# Altium PCB openmv-ae3.PcbDoc (part 1 of 7) (continued)
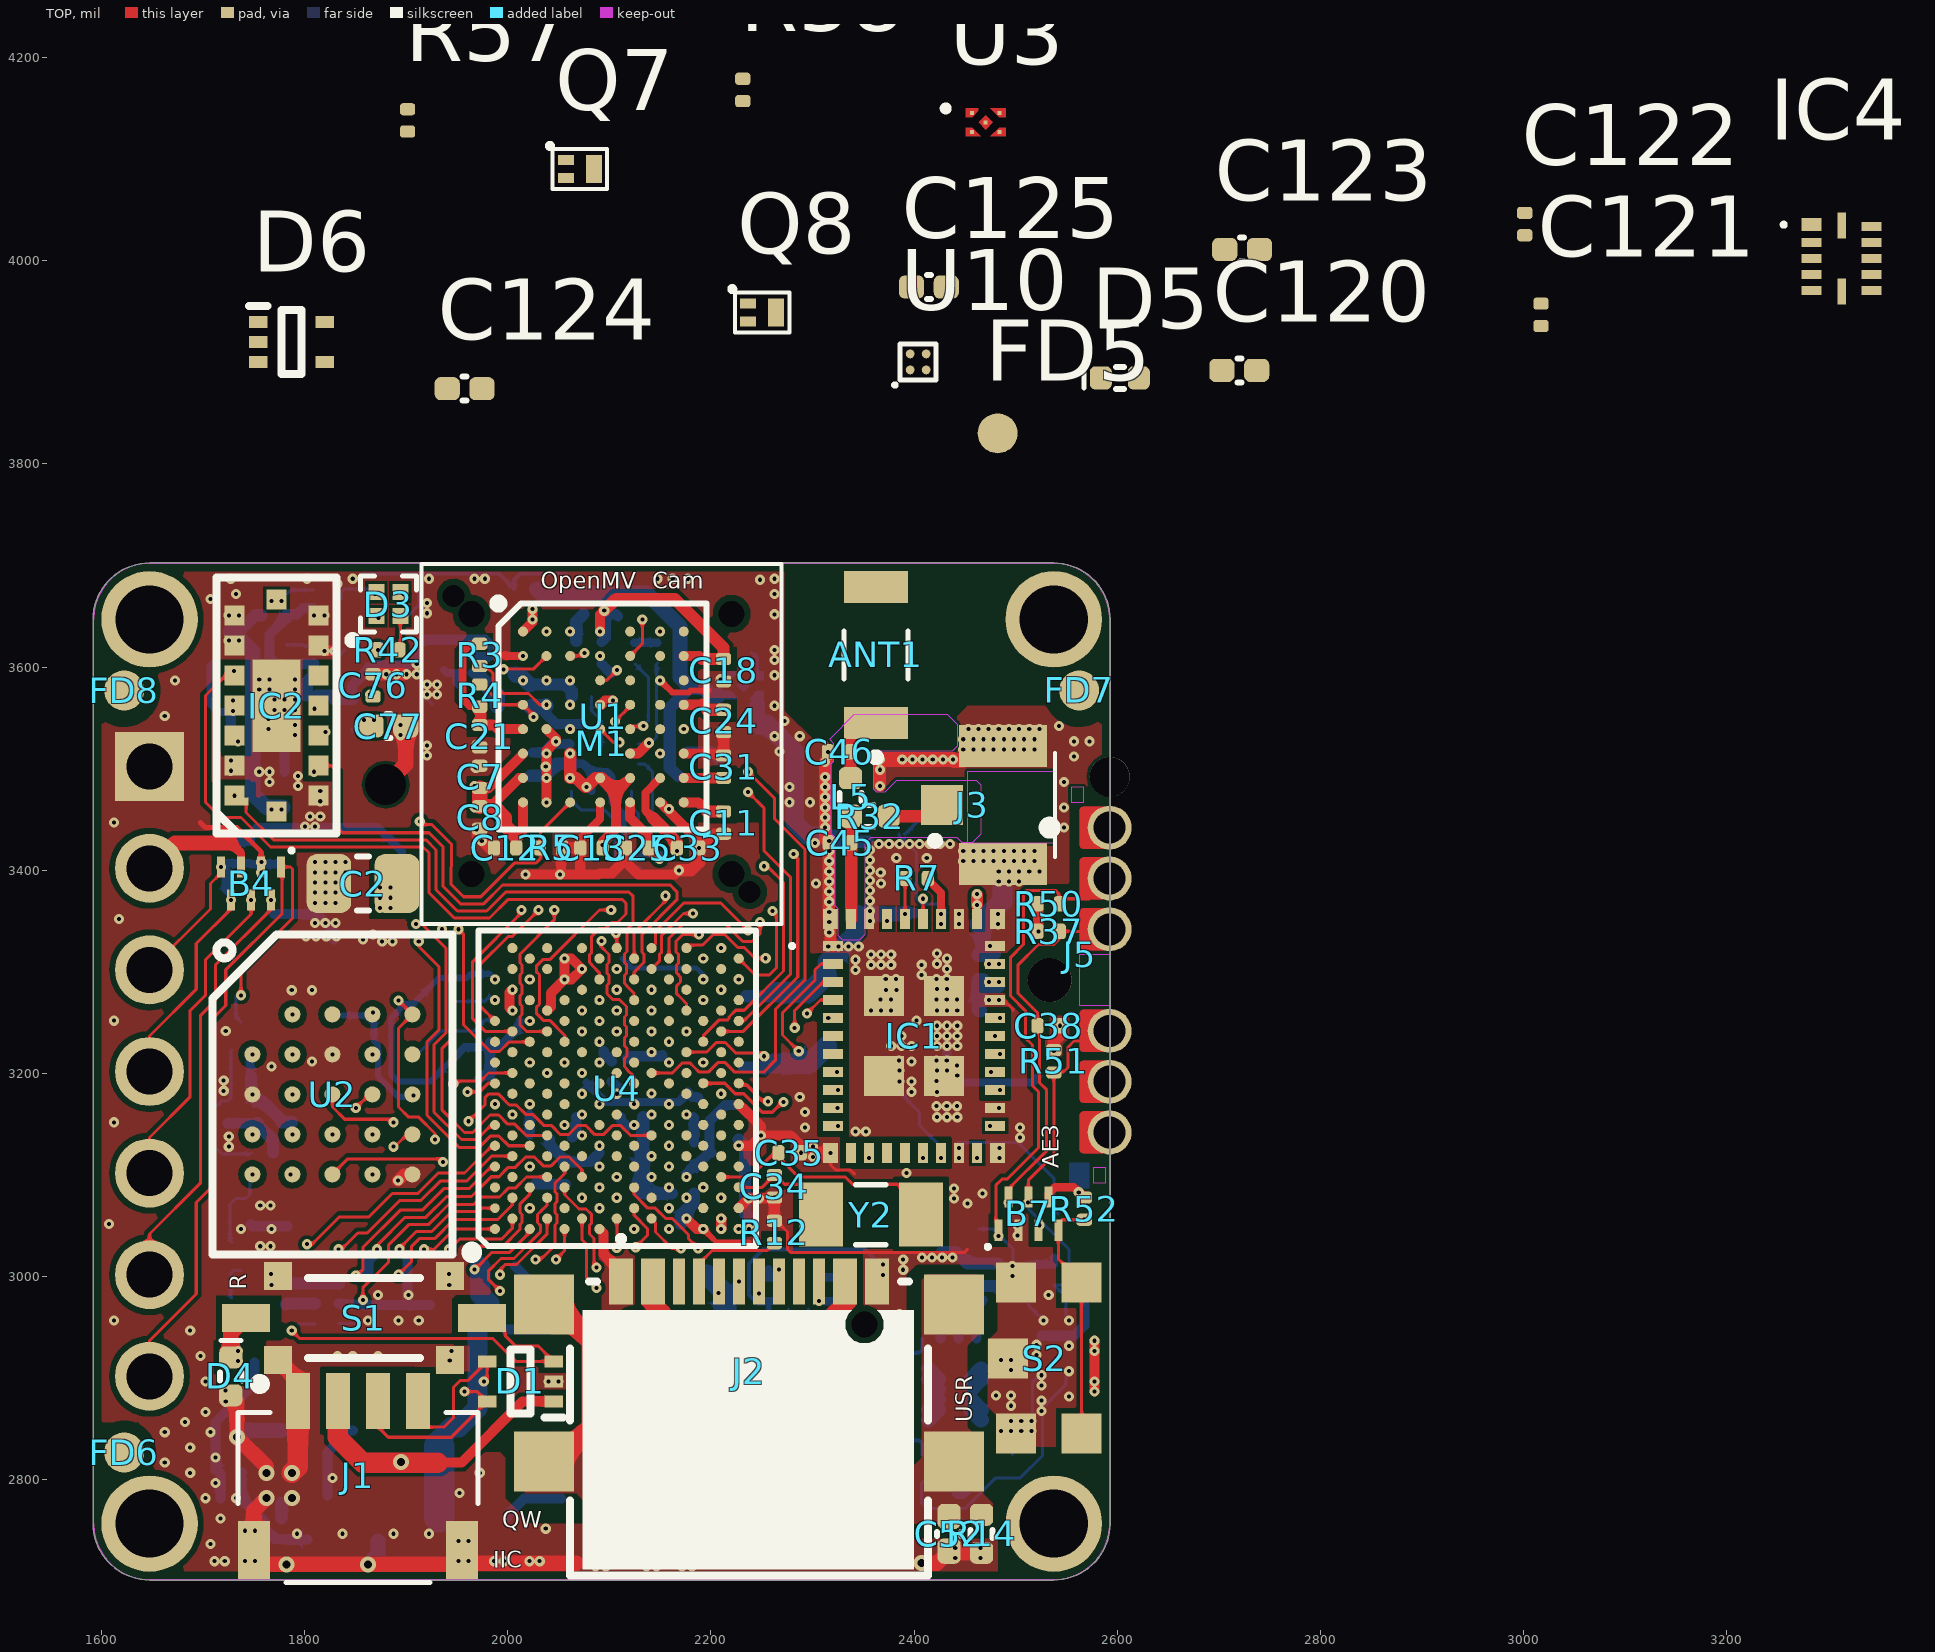
[diagram p0: TOP view]
## Components (designator, comment, footprint, x,y, rotation, side; value= is the part's Value field where it differs from the comment)
ANT1 "AMCA31-2R450G-S1F-T3" ANTC3216X140N 2362.44,3611.91 r90 top
B1 "TPS62824DMQR" TPS62826ADMQR 1752.44,3356.91 r0 bottom
B2 "TPS62824DMQR" TPS62826ADMQR 2070.77,2781.47 r180 bottom
B3 "TPS62824DMQR" TPS62826ADMQR 1822.44,2766.91 r90 bottom
B4 "PUSB3TB6AZ" PUSB3TB6AZ 1747.44,3386.91 r270 top
B5 "NXS0102GTX" NXS0102GTX 2537.44,2931.91 r0 bottom
B6 "NXS0102GTX" NXS0102GTX 1821.86,2983.49 r0 bottom
B7 "PUSB3TB6AZ" PUSB3TB6AZ 2512.44,3061.91 r90 top
C1 "4.7uF" 0402-CAP#1 1800.49,3049.52 r0 bottom
C2 "22uF" 0805 1857.44,3386.91 r0 top
C3 "0.22uF" C0201#1 1752.44,3161.91 r270 bottom
C4 "4.7uF" 0402-CAP#1 2297.44,3391.91 r180 bottom
C5 "22uF" 0805 1972.44,3481.91 r270 bottom
C6 "4.7uF" 0402-CAP#1 2237.44,3436.91 r180 bottom
C7 "0.22uF" C0201#1 1972.44,3491.91 r270 top
C8 "0.22uF" C0201#1 1972.44,3451.91 r90 top
C9 "4.7uF" 0402-CAP#1 2000.44,3628.91 r270 bottom
C10 "4.7uF" 0402-CAP#1 1972.44,3561.91 r0 bottom
C11 "0.22uF" C0201#1 2212.44,3446.91 r90 top
C12 "0.22uF" C0201#1 1997.44,3421.91 r0 top
C13 "0.22uF" C0201#1 2082.44,3421.91 r0 top
C14 "0.22uF" C0201#1 2032.44,3441.91 r0 bottom
C15 "0.22uF" C0201#1 2032.44,3416.91 r0 bottom
C16 "0.22uF" C0201#1 2092.44,3406.91 r90 bottom
C17 "0.22uF" C0201#2 2067.44,3614.91 r90 bottom
C18 "0.22uF" C0201#1 2212.44,3596.91 r90 top
C19 "0.22uF" C0201#1 2085.44,3651.91 r180 bottom
C20 "DNP" C0201#1 1982.44,3241.91 r90 bottom
C21 "0.22uF" C0201#1 1972.44,3531.91 r90 top
C22 "DNP" C0201#1 1982.44,3286.91 r270 bottom
C23 "0.22uF" C0201#1 2092.44,3613.91 r270 bottom
C24 "0.22uF" C0201#1 2212.44,3546.91 r90 top
C25 "0.22uF" C0201#1 2127.44,3421.91 r0 top
C26 "0.22uF" C0201#1 2022.44,3526.91 r90 bottom
C27 "0.22uF" C0201#1 2167.44,3481.91 r90 bottom
C28 "0.22uF" C0201#1 2017.44,3676.91 r0 bottom
C29 "0.22uF" C0201#1 2177.44,3526.91 r270 bottom
C30 "2.2uF" 0402-CAP#1 2207.44,3526.91 r270 bottom
C31 "0.22uF" C0201#1 2212.44,3501.91 r270 top
C32 "2.2uF" 0402-CAP#1 2237.44,3471.91 r180 bottom
C33 "0.22uF" C0201#1 2177.44,3421.91 r180 top
C34 "DNP" C0201#1 2262.44,3088.91 r270 top
C35 "DNP" C0201#1 2277.44,3121.91 r0 top
C36 "2.2uF" 0402-CAP#1 2182.44,3416.91 r90 bottom
C37 "0.22uF" C0201#1 1724.44,3161.91 r90 bottom
C38 "0.22uF" C0201#1 2532.44,3246.91 r180 top
C39 "0.22uF" C0201#1 1857.44,3231.91 r180 bottom
C40 "0.22uF" C0201#1 1779.95,3122.16 r180 bottom
C41 "0.22uF" C0201#1 2322.44,3441.91 r90 bottom
C42 "0.22uF" C0201#1 2452.44,3316.91 r180 bottom
C43 "0.22uF" C0201#1 2452.44,3291.91 r180 bottom
C44 "0.22uF" C0201#1 2392.44,3346.91 r270 bottom
C45 "GRM0335C1H1R5BA01D" CAPC0603X33N 2327.06,3426.99 r180 top
C46 "DNP" C0201-NO-3D 2326.26,3516.58 r180 top
C47 "4.7uF" 0402-CAP#1 2447.44,3346.91 r0 bottom
C48 "4.7uF" 0402-CAP#1 2447.44,3261.91 r0 bottom
C49 "4.7uF" 0402-CAP#1 2327.44,3356.91 r0 bottom
C50 "0.22uF" C0201#1 2022.44,3481.91 r270 bottom
C51 "0.22uF" C0201#1 2022.44,3571.91 r270 bottom
C52 "1nF" 0402-CAP#1 2434.44,2746.91 r270 top
C53 "10nF" 0402-CAP#1 2147.44,2918.91 r180 bottom
C54 "0.22uF" C0201#1 2208.5,2922.66 r180 bottom
C55 "4.7uF" 0402-CAP#1 2197.44,2951.91 r0 bottom
C56 "0.22uF" C0201#1 2457.44,3001.91 r90 bottom
C57 "0.22uF" C0201#1 2432.44,2786.91 r180 bottom
C58 "0.22uF" C0201#1 2482.44,3001.91 r90 bottom
C59 "4.7uF" 0402-CAP#1 2427.44,3006.91 r270 bottom
C60 "47pF" C0201#1 2367.44,2921.91 r180 bottom
C61 "47pF" C0201#1 2367.44,2846.91 r180 bottom
C62 "0.22uF" C0201#1 2567.44,3001.91 r90 bottom
C63 "22uF" 0805 1966.18,2832.91 r0 bottom
C64 "4.7uF,10V" 0402-CAP#1 2088.08,2833.11 r0 bottom
C65 "120pF" C0201#1 2069.1,2724.96 r90 bottom
C66 "22uF" 0805 1777.44,2881.91 r270 bottom
C67 "120pF" C0201#1 1727.44,2806.91 r180 bottom
C68 "4.7uF" 0402-CAP#1 1872.43,2756.91 r90 bottom
C69 "4.7uF" 0402-CAP#1 1989.94,3009.91 r180 bottom
C70 "4.7uF" 0402-CAP#2 1884.14,3021.22 r0 bottom
C71 "22uF" 0805 1862.44,3401.91 r180 bottom
C72 "4.7uF" 0402-CAP#1 2192.44,3596.91 r270 bottom
C73 "120pF" C0201#1 1747.44,3416.91 r90 bottom
C74 "4.7uF" 0402-CAP#1 2245.44,3526.91 r90 bottom
C75 "4.7uF" 0402-CAP#1 1742.44,3306.91 r0 bottom
C76 "0.22uF" C0201#1 1867.44,3581.91 r90 top
C77 "4.7uF" 0402-CAP#1 1882.44,3541.91 r180 top
C78 "4.7uF" 0402-CAP#1 2035.44,3628.91 r270 bottom
C79 "0.22uF" C0201#1 1727.44,3566.91 r90 bottom
C80 "0.22uF" C0201#1 1757.44,3661.91 r90 bottom
C81 "0.22uF" C0201#1 1790.44,3461.91 r0 bottom
C82 "4.7uF" 0402-CAP#1 1727.44,3651.91 r270 bottom
C83 "0.22uF" C0201#1 2552.44,2861.91 r270 bottom
C84 "0.22uF" C0201#1 1781.86,2983.49 r90 bottom
C85 "0.22uF" C0201#1 1861.83,2982.26 r270 bottom
C86 "0.22uF" C0201#1 2022.44,3276.91 r180 bottom
C87 "2.2uF" 0402-CAP#1 2227.44,3151.91 r270 bottom
C88 "22uF" 0805 2162.44,3001.91 r0 bottom
C89 "4.7uF" 0402-CAP#1 2187.44,3051.91 r180 bottom
C90 "0.22uF" C0201#1 2237.44,3048.91 r270 bottom
C91 "22uF" 0805 2347.44,3226.91 r180 bottom
C92 "4.7uF" 0402-CAP#1 2262.44,3226.91 r90 bottom
C93 "0.22uF" C0201#1 2232.44,3216.91 r270 bottom
C94 "22uF" 0805 2064.44,2976.67 r90 bottom
C95 "4.7uF" 0402-CAP#1 2132.44,3066.91 r270 bottom
C96 "0.22uF" C0201#1 2172.44,3081.91 r180 bottom
C97 "0.22uF" C0201#3 2112.44,3301.91 r270 bottom
C98 "0.22uF" C0201#1 2169.44,3106.91 r0 bottom
C99 "0.22uF" C0201#1 2022.44,3246.91 r0 bottom
C100 "0.22uF" C0201#1 2082.44,3086.91 r270 bottom
C101 "0.22uF" C0201#1 2217.44,3251.91 r180 bottom
C102 "4.7uF" 0402-CAP#1 2182.44,3346.91 r90 bottom
C103 "0.22uF" C0201#2 2210.44,3306.91 r90 bottom
C104 "22uF" 0805 2347.44,3296.91 r180 bottom
C105 "4.7uF" 0402-CAP#1 2262.44,3296.91 r90 bottom
C106 "0.22uF" C0201#1 2232.44,3286.91 r270 bottom
C107 "0.22uF" C0201#1 2032.44,3158.91 r0 bottom
C108 "0.22uF" C0201#1 2057.44,3101.91 r270 bottom
C109 "1uF" C0201#1 1982.44,3186.91 r90 bottom
C110 "4.7uF" 0402-CAP#1 2112.44,3126.91 r180 bottom
C111 "0.22uF" C0201#1 2122.44,3156.91 r0 bottom
C112 "1uF" C0201#1 2222.44,3081.91 r180 bottom
C113 "1uF" C0201#1 2172.44,3131.91 r0 bottom
C114 "1uF" C0201#1 2222.44,3106.91 r180 bottom
C115 "1uF" C0201#1 2052.44,3136.91 r0 bottom
C116 "1uF" C0201#1 2077.44,3201.91 r270 bottom
C117 "0.22uF" C0201#1 2177.44,3191.91 r270 bottom
C118 "0.22uF" C0201#1 2152.44,3206.91 r270 bottom
C119 "4.7uF" 0402-CAP#1 2422.44,3161.91 r0 bottom
C120 "4.7uF" 0402-CAP#1 2720,3892 r0 top
C121 "0.22uF" C0201#1 3017,3946.67 r90 top
C122 "0.22uF" C0201#1 3001,4036 r90 top
C123 "4.7uF" 0402-CAP#1 2722.87,4011 r0 top
C124 "4.7uF" 0402-CAP#1 1957.54,3874 r0 top
C125 "4.7uF" 0402-CAP#1 2414.57,3974 r0 top
D1 "DF5A6.2CJE,LM" SOTFL50P160X60-5N 2012.44,2896.91 r180 top
D2 "LM66100DCKR" SOP65P210X110-6N 1960.69,2947.88 r180 bottom
D3 "UHD1110-FKA-CL1A13R3Q1BBQFMF3" LED_UHD1110-FKA-CL1A13R3Q1BBQFMF3 1882.44,3661.91 r90 top
D4 "CPDQT5V0HE-HF" CPDQT5V0HEHF 1727.44,2901.91 r270 top
D5 "CPDQT5V0HE-HF" CPDQT5V0HEHF 2602.44,3884.57 r0 top
D6 "DF5A6.2CJE,LM" SOTFL50P160X60-5N 1787.31,3920 r0 top
FD1 "FIDUCIAL1X2" FIDUCIAL-1X2#1 1717.44,2731.91 r90 bottom
FD2 "FIDUCIAL1X2" FIDUCIAL-1X2#1 2452.44,2741.91 r90 bottom
FD3 "FIDUCIAL1X2" FIDUCIAL-1X2#2 2562.44,3576.91 r90 bottom
FD4 "FIDUCIAL1X2" FIDUCIAL-1X2#2 1622.44,3576.91 r90 bottom
FD5 "FIDUCIAL1X2" FIDUCIAL-1X2#2 2482.17,3830 r90 top
FD6 "FIDUCIAL1X2" FIDUCIAL-1X2#2 1622.44,2826.91 r90 top
FD7 "FIDUCIAL1X2" FIDUCIAL-1X2#2 2562.44,3576.91 r90 top
FD8 "FIDUCIAL1X2" FIDUCIAL-1X2#2 1622.44,3576.91 r90 top
FL1 "ECMF02-4CMX8" ECMF024CMX8 2286.28,2987.6 r0 bottom
IC1 "LBEE5KL1YN-814" LBEE5KL1YN814 2399.94,3236.91 r270 top
IC2 "VL53L5CXV0GC_1" VL53L5CXV0GC1 1772.44,3561.91 r270 top
IC3 "MMICT3902-00-012" MMICT390200012 1879.9,3512.17 r270 bottom
IC4 "NXS0104GU12X" NXS0104GU12X 3313,4002 r0 top
J1 "SM04B-SRSS-TB(LF)(SN)" JST_SM04B-SRSS-TB(LF)(SN) 1852.44,2802.91 r0 top
J2 "GSB1C41110SSHR" GSB1C41110SSHR 2237.44,2861.91 r0 top
J3 "DNP" 23370191-NO-3D 2487.44,3464.41 r270 top
J4 "DNP" HDRV7W66P0X254_1X7_1778X254X844P 1647.44,3501.91 r270 bottom
J5 "ECV3-06" ECV3-06 2592.44,3441.91 r270 top
J6 "DF40C-20DP-0.4V_51_" DF40C20DP04V51 2232.44,2776.3 r0 bottom
L1 "SRP3212-2R2M" IND3225X100N 2307.44,3111.91 r90 bottom
L5 "3.9NH" 0402 2337.44,3471.91 r270 top
L6 "MAKK2016T2R2M" INDC2016X100N 2455.44,3409.91 r0 bottom
L7 "MFBM1V1608-101-R" 0603-RES 2095.74,2876.04 r180 bottom
L8 "CIGT201210UHR47MNE" 0805 1965.98,2762.96 r180 bottom value=470nH
L9 "CIGT201210UHR47MNE" 0805 1847.44,2881.91 r90 bottom value=470nH
L10 "CIGT201210UHR47MNE" 0805 1862.44,3331.91 r0 bottom value=470nH
M1 "M7 or M8" M7_M8 2092.44,3524.41 r0 top
Q1 "NMOS" DFN1006 1902.44,3636.91 r90 bottom
Q2 "NMOS" DFN1006 1822.44,3611.91 r0 bottom
Q3 "NMOS" DFN1006 1822.44,3666.91 r0 bottom
Q4 "NMOS" DFN1006 1737.44,3236.91 r90 bottom
Q5 "NMOS" DFN1006 1737.44,3019.91 r270 bottom
Q6 "NMOS" DFN1006 1737.44,3106.91 r90 bottom
Q7 "NMOS" DFN1006 2071,4090 r0 top
Q8 "NMOS" DFN1006 2250.49,3949.07 r0 top
R1 "100K" R0201 2122.44,3613.91 r90 bottom
R2 "100K" R0201 2147.44,3613.91 r90 bottom
R3 "2.7K" R0201 1972.44,3611.91 r90 top
R4 "2.7K" R0201 1972.44,3571.91 r270 top
R5 "100K" R0201 2042.44,3421.91 r180 top
R6 "10K" R0201 2442.44,3231.91 r180 bottom
R7 "10K" R0201 2402.44,3391.91 r180 top
R8 "DNP" R0201 1912.44,3176.91 r180 bottom
R9 "100K" R0201 1867.44,3266.91 r270 bottom
R10 "DNP" R0201 1837.44,3266.91 r270 bottom
R11 "100K" R0201 1787.44,3161.91 r270 bottom
R12 "5.1K" R0201 2262.44,3043.91 r270 top
R13 "100K" R0201 2442.44,3206.91 r0 bottom
R14 "1Meg" 0402-RES 2466.44,2746.91 r270 top
R15 "5.1K" R0201 2372.44,2996.91 r270 bottom
R16 "27" R0201 2367.44,2871.91 r180 bottom
R17 "27" R0201 2367.44,2896.91 r180 bottom
R18 "10K" R0201 2134.44,3240.91 r0 bottom
R19 "100K" R0201 1730.1,2964.12 r90 bottom
R20 "453K" R0201 2042,2724.9 r90 bottom
R21 "100K" R0201 2095.96,2724.66 r270 bottom
R22 "200K" R0201 1727.44,2781.91 r0 bottom
R23 "100K" R0201 1777.44,2751.91 r270 bottom
R24 "100K" R0201 1722.44,3416.91 r90 bottom
R25 "100K" R0201 1772.44,3416.91 r270 bottom
R26 "47K" R0201 1727.44,3521.91 r90 bottom
R27 "47K" R0201 1719.44,3602.91 r180 bottom
R28 "47K" R0201 1790.44,3496.91 r180 bottom
R29 "2.7K" R0201 1790.44,3521.91 r180 bottom
R30 "2.7K" R0201 1790.44,3546.91 r180 bottom
R31 "47K" R0201 1727.44,3471.91 r270 bottom
R32 "DNP" 0402-RES 2356.1,3453.16 r180 top
R33 "100K" R0201 2153.44,3426.91 r270 bottom
R34 "100K" R0201 2512.44,3001.91 r90 bottom
R35 "100K" R0201 2537.44,3001.91 r90 bottom
R36 "10K" R0201 1737.44,3196.91 r0 bottom
R37 "10K" R0201 2532.44,3339.91 r180 top
R38 "200" R0201 2127.44,3206.91 r90 bottom
R39 "200" R0201 2102.44,3201.91 r270 bottom
R40 "100K" R0201 2128.44,3426.91 r270 bottom
R41 "1K" R0201 1867.44,3666.91 r270 bottom
R42 "10K" R0201 1882.44,3616.91 r0 top
R43 "5.1K" R0201 1902.44,3676.91 r180 bottom
R44 "100K" R0201 1867.44,3611.91 r270 bottom
R45 "100K" R0201 1782.44,3611.91 r270 bottom
R46 "100K" R0201 1782.44,3661.91 r270 bottom
R47 "10" R0201 2077.44,3156.91 r180 bottom
R48 "1K" R0201 2172.44,3156.91 r180 bottom
R49 "100K" R0201 2027.44,3101.91 r270 bottom
R50 "100K" R0201 2532.44,3366.91 r180 top
R51 "100K" R0201 2537.44,3211.91 r270 top
R52 "10K" R0201 2567.44,3066.91 r270 top
R53 "10K" R0201 2432.44,3131.91 r0 bottom
R54 "100K" R0201 1742.44,3276.91 r0 bottom
R56 "100K" R0201 1737.44,3061.91 r180 bottom
R57 "2.7K" R0201 1901.39,4138 r90 top
R58 "2.7K" R0201 2231.36,4168 r90 top
S1 "CVS-01TB" CVS01TB 1858.44,2959.41 r270 top
S2 "KMS231GLFS" KMS231GLFS 2532.44,2919.41 r90 top
U1 "PAG7936" PAG7936 2094.12,3550.86 r0 top
U2 "MX25UM25645GXDI00-T" 24-TBGA 1827.44,3179.41 r0 top
U3 "TCR2LN28,LF(SE" VREG_TCR2LN30_LF 2470.43,4136 r0 top
U4 "Alif_E _Series_CSP208" CSP208 1987.44,3046.91 r90 top
U5 "USB MUX" TC7USB42MU,LF(S2E 2287.44,2906.91 r270 bottom
U6 "USB to UART" SON45P300X300X80-13N 2452.44,2881.91 r270 bottom
U7 "" LSM6DSMTR 2092.44,3524.41 r90 bottom
U8 "TCR2LN28,LF(SE" VREG_TCR2LN30_LF 2232.44,3581.91 r0 bottom
U9 "PMOS Load Switch" AP22916CCA4-7 1957.44,3601.91 r90 bottom
U10 "PMOS Load Switch" AP22916CCA4-7 2403.93,3900.32 r90 top
X1 "XRCGB38M400F4M00R0" XTAL_2016 1927.44,3241.91 r270 bottom
Y1 "SiT1533AI-H4-DCC-32.768E" SIT1533AIH4AA332768E 2367.44,3431.91 r270 bottom
Y2 "SC32S-7PF20PPM" XTAL_ABS07-32.768KHZ-7-T 2357.44,3060.91 r180 top

## Footprints (in the part's own frame and the unit in brackets; to place one, negate y for a bottom-side part, rotate by r counter-clockwise, add the part's x,y. Pads: shape width x height; smd on the part's side, far side on the other; paste and mask are expansions set on the pad)
24-TBGA [mm]
  round 0.4 smd mask+0.051: A2(-1,2) A3(0,2) A4(1,2) A5(2,2) B1(-2,1) B2(-1,1) B3(0,1) B4(1,1) B5(2,1) C1(-2,0) C2(-1,0) C3(0,0) C4(1,0) C5(2,0) D1(-2,-1) D2(-1,-1) D3(0,-1) D4(1,-1) D5(2,-1) E1(-2,-2) E2(-1,-2) E3(0,-2) E4(1,-2) E5(2,-2)
  silkscreen extent -3,-4 3,4, body extent -3,-4 3,4, height 0.51
0402 [mm] "Chip Resistor, 2-Leads, Body  0402 (in) 1005 (mm), IPC Medium Density"
  rrect51% 0.55x0.58 smd mask+0.05: 1(-0.475,0) 2(0.475,0)
  silkscreen extent -0.1,-0.28 0.1,0.28, body extent -0.5,-0.25 0.5,0.25, height 0.34
0402-CAP#1 [mm] "Chip Capacitor, 2-Leads, Body  0402 (in) 1005 (mm), IPC Medium Density"
  rrect52% 0.63x0.58 smd mask+0.05: 1(-0.435,0) 2(0.435,0)
  silkscreen extent -0.05,-0.3 0.05,0.3, body extent -0.5,-0.25 0.5,0.25, height 0.5
0402-CAP#2 [mm] "Chip Capacitor, 2-Leads, Body  0402 (in) 1005 (mm), IPC Medium Density"
  rect 0.63x0.58 smd mask+0.05: 1(-0.435,0)
  rrect52% 0.63x0.58 smd mask+0.05: 2(0.435,0)
  silkscreen extent -0.05,-0.3 0.05,0.3, body extent -0.5,-0.25 0.5,0.25, height 0.5
0402-RES [mm] "Chip Resistor, 2-Leads, Body  0402 (in) 1005 (mm), IPC Medium Density"
  rrect51% 0.55x0.58 smd mask+0.05: 1(-0.475,0) 2(0.475,0)
  silkscreen extent -0.1,-0.28 0.1,0.28, body extent -0.5,-0.25 0.5,0.25, height 0.34
0603-RES [mm]
  rrect51% 0.87x0.97 smd mask+0.05: 1(-0.8,0) 2(0.75,0)
  silkscreen extent -0.2,-0.5 0.15,0.5, body extent -0.8,-0.4 0.8,0.4, height 0.45
0805 [mm] "Chip Capacitor, Body 0805 imperial, 2.0x1.2mm, IPC Medium Density"
  rrect45% 1.11x1.47 smd mask+0.05: 1(-0.85,0) 2(0.85,0)
  silkscreen extent -0.15,-0.67 0.15,0.67, body extent -1,-0.62 1,0.63, height 1.25
23370191-NO-3D [mm] "23370191"
  rect 1x1.05 smd: 1(0,-1.525)
  rect 1.05x2.2 smd: 2(-1.475,0) 3(1.475,0)
  silkscreen extent -1.3,-1.8 1.3,1.3
ANTC3216X140N [mm] "ANTC3216X140N"
  rect 0.8x1.6 smd: 1(-1.7,0) 2(1.7,0)
  silkscreen extent -2.66,-0.8 0.6,0.8, body extent -1.6,-0.8 1.6,0.8, height 1.2
AP22916CCA4-7 [mm]
  round 0.22 smd mask+0.05: A1(-0.2,0.2) A2(0.2,0.2) B1(-0.2,-0.2) B2(0.2,-0.2)
  TOP pour cut-out: -0.4,0.4 -0.4,-0.4 0.4,-0.4 0.4,0.4 0.375,0.4
  silkscreen extent -0.62,-0.45 0.45,0.62, body extent -0.4,-0.4 0.4,0.4, height 0.51
C0201#1 [mil]
  rrect50% 12x15 smd mask+1.97: 1(-11,0) 2(11,0)
  body extent -12,-6 12,6, height 14
C0201#2 [mil] "C0201"
  rect 12x15 smd: 1(-11,0) 2(11,0)
C0201#3 [mil]
  rect 12x15 smd mask+1.97: 1(-11,0)
  rrect50% 12x15 smd mask+1.97: 2(11,0)
  body extent -12,-6 12,6, height 14
C0201-NO-3D [mil] "0201 IPC-7351"
  rrect50% 12x15 smd mask+1.97: 1(-11,0) 2(11,0)
CAPC0603X33N [mil] "CAPC0603X33N"
  rrect50% 12x15 smd mask+1.97: 1(-10.97,-0.04) 2(11.03,-0.04)
  body extent -12,-6 12,6, height 14
CPDQT5V0HEHF [mm]
  rrect51% 0.55x0.58 smd mask+0.05: 1(-0.475,0) 2(0.475,0)
  silkscreen extent -0.9,-0.27 0.1,0.28, body extent -0.5,-0.25 0.5,0.25, height 0.34
CSP208 [mil] "LGA Package 208 pads"
  round 10 smd mask+1.18: A1(0,0) A5(40.94,0) A7(61.42,0) A9(81.89,0) A11(102.36,0) A13(122.83,0) A15(143.31,0) A17(163.78,0) A19(184.25,0) A21(204.72,0) A23(225.2,0) A25(245.67,0) B2(10.24,-17.13) B4(30.71,-17.13) B6(51.18,-17.13) B8(71.65,-17.13) B10(92.13,-17.13) B12(112.6,-17.13) B14(133.07,-17.13) B16(153.54,-17.13) B18(174.02,-17.13) B20(194.49,-17.13) B22(214.96,-17.13) B24(235.43,-17.13) B26(255.91,-17.13) B28(276.41,-17.13) C1(0,-34.25) C3(20.47,-34.25) C5(40.94,-34.25) C7(61.42,-34.25) C9(81.89,-34.25) C11(102.36,-34.25) C13(122.83,-34.25) C15(143.31,-34.25) C17(163.78,-34.25) C19(184.25,-34.25) C21(204.72,-34.25) C23(225.2,-34.25) C25(245.67,-34.25) C27(266.14,-34.25) D2(10.24,-51.38) D4(30.71,-51.38) D6(51.18,-51.38) D8(71.65,-51.38) D10(92.13,-51.38) D12(112.6,-51.38) D14(133.07,-51.38) D16(153.54,-51.38) D18(174.02,-51.38) D20(194.49,-51.38) D22(214.96,-51.38) D26(255.91,-51.38) D28(276.41,-51.38) E1(0,-68.5) E3(20.47,-68.5) E5(40.94,-68.5) E7(61.42,-68.5) E9(81.89,-68.5) E11(102.36,-68.5) E13(122.83,-68.5) E15(143.31,-68.5) E17(163.78,-68.5) E19(184.25,-68.5) E21(204.72,-68.5) E23(225.2,-68.5) E25(245.67,-68.5) E27(266.14,-68.5) F2(10.24,-85.63) F4(30.71,-85.63) F6(51.18,-85.63) F8(71.65,-85.63) F10(92.13,-85.63) F12(112.6,-85.63) F14(133.07,-85.63) F16(153.54,-85.63) F18(174.02,-85.63) F20(194.49,-85.63) F22(214.96,-85.63) F24(235.43,-85.63) F26(255.91,-85.63) F28(276.41,-85.63) G1(0,-102.76) G3(20.47,-102.76) G5(40.94,-102.76) G7(61.42,-102.76) G9(81.89,-102.76) G11(102.36,-102.76) G13(122.83,-102.76) G15(143.31,-102.76) G17(163.78,-102.76) G19(184.25,-102.76) G21(204.72,-102.76) G23(225.2,-102.76) G25(245.67,-102.76) G27(266.14,-102.76) H2(10.24,-119.88) H4(30.71,-119.88) H6(51.18,-119.88) H8(71.65,-119.88) H10(92.13,-119.88) H12(112.6,-119.88) H14(133.07,-119.88) H16(153.54,-119.88) H18(174.02,-119.88) H20(194.49,-119.88) H22(214.96,-119.88) H24(235.43,-119.88) H26(255.91,-119.88) H28(276.41,-119.88) J1(0,-137.01) J3(20.47,-137.01) J5(40.94,-137.01) J7(61.42,-137.01) J9(81.89,-137.01) J11(102.36,-137.01) J13(122.83,-137.01) J15(143.31,-137.01) J17(163.78,-137.01) J19(184.25,-137.01) J21(204.72,-137.01) J23(225.2,-137.01) J25(245.67,-137.01) J27(266.14,-137.01) K2(10.24,-154.13) K4(30.71,-154.13) K6(51.18,-154.13) K8(71.65,-154.13) K10(92.13,-154.13) K12(112.6,-154.13) K14(133.39,-153.98) K16(153.54,-154.13) K18(174.02,-154.13) K20(194.49,-154.13) K22(214.96,-154.13) K24(235.43,-154.13) K26(255.91,-154.13) K28(276.41,-154.13) L1(0,-171.26) L3(20.47,-171.26) L5(40.94,-171.26) L7(61.42,-171.26) L9(81.89,-171.26) L11(102.36,-171.26) L13(122.83,-171.26) L15(143.31,-171.26) L17(163.78,-171.26) L19(184.25,-171.26) L21(204.72,-171.26) L23(225.2,-171.26) L25(245.67,-171.26) L27(266.14,-171.26) M2(10.24,-188.39) M4(30.71,-188.39) M6(51.18,-188.39) M8(71.65,-188.39) M10(92.13,-188.39) M12(112.6,-188.39) M14(133.07,-188.39) M16(153.54,-188.39) M18(174.02,-188.39) M20(194.49,-188.39) M22(214.96,-188.39) M24(235.43,-188.39) M26(255.91,-188.39) M28(276.41,-188.39) N1(0.06,-205.02) N3(20.53,-205.02) N5(41.01,-205.02) N7(61.48,-205.02) N9(81.95,-205.02) N11(102.42,-205.02) N13(122.9,-205.02) N15(143.37,-205.02) N17(163.84,-205.02) N19(184.31,-205.02) N21(204.79,-205.02) N23(225.26,-205.02) N25(245.73,-205.02) N27(266.2,-205.02) P2(10.24,-222.64) P4(30.71,-222.64) P6(51.18,-222.64) P8(71.65,-222.64) P10(92.13,-222.64) P12(112.6,-222.64) P14(133.07,-222.64) P16(153.54,-222.64) P18(174.02,-222.64) P20(194.49,-222.64) P22(214.96,-222.64) P24(235.43,-222.64) P26(255.91,-222.64) P28(276.41,-222.64) R1(0.06,-239.92) R3(20.53,-239.92) R5(41.01,-239.92) R7(61.48,-239.92) R9(81.95,-239.92) R11(102.42,-239.92) R13(122.9,-239.92) R15(143.37,-239.92) R17(163.84,-239.92) R19(184.31,-239.92) R21(204.79,-239.92) R23(225.26,-239.92) R25(245.73,-239.92) R27(266.2,-239.92)
  round 9.45 smd mask+1.18: A3(20.47,0)
  silkscreen extent -24,-257 294,23, body extent -12,-252 288,12, height 22
CVS01TB [mm]
  rect 0.7x1.2 smd: 1(0,-2.95) 2(0,2.95)
  rect 0.7x0.7 smd: MP1(-1.05,-2.15) MP2(1.05,-2.15) MP3(-1.05,2.15) MP4(1.05,2.15)
  silkscreen extent -1,-1.4 1,1.4, body extent -1.33,-3.48 1.33,3.48, height 1.55
DF40C20DP04V51 [mm]
  rect 0.23x0.66 smd: 1(-1.8,-1.355) 2(-1.8,1.355) 3(-1.4,-1.355) 4(-1.4,1.355) 5(-1,-1.355) 6(-1,1.355) 7(-0.6,-1.355) 8(-0.6,1.355) 9(-0.2,-1.355) 10(-0.2,1.355) 11(0.2,-1.355) 12(0.2,1.355) 13(0.6,-1.355) 14(0.6,1.355) 15(1,-1.355) 16(1,1.355) 17(1.4,-1.355) 18(1.4,1.355) 19(1.8,-1.355) 20(1.8,1.355)
  rect 0.35x0.66 smd: 21(2.275,-1.355) 22(2.275,1.355) 23(-2.275,1.355) 24(-2.275,-1.355)
  silkscreen extent -2.76,-0.92 2.76,0.92, body extent -2.76,-1.48 2.76,1.49, height 1.14
DFN1006 [mm]
  rect 0.4x0.25 smd paste+0 mask+0.05: 1(-0.35,0.225) 2(-0.35,-0.225)
  rect 0.4x0.7 smd paste+0 mask+0.05: 3(0.35,0)
  silkscreen extent -0.81,-0.5 0.68,0.64, body extent -0.5,-0.31 0.5,0.31, height 0.5
ECMF024CMX8 [mil] "ECMF024CMX8"
  rect 7.87x23.62 smd: 1(-29.53,-19.69) 2(-9.84,-19.69) 3(9.84,-19.69) 4(29.53,-19.69) 5(29.53,19.69) 6(9.84,19.69) 7(-9.84,19.69) 8(-29.53,19.69)
  TOP region: 25.59,7.88 25.59,15.76 41.34,15.76 41.34,7.88
  TOP region: 25.59,-7.88 25.59,-15.76 41.34,-15.76 41.34,-7.88
  TOP region: -25.59,-7.88 -25.59,-15.76 -41.34,-15.76 -41.34,-7.88
  TOP region: -25.59,7.88 -25.59,15.76 -41.34,15.76 -41.34,7.88
  silkscreen extent -50,-38 48,23, body extent -49,-24 49,24, height 20
ECV3-06 [mm] "Tag-Connect ECV3-06 Edge-Connect Test Connector Castellated (NO BOM)"
  round 1.1 hole 0.8 paste-2539.97 mask+0: 1(0,0) 2(1.27,0) 3(2.54,0) 4(5.08,0) 5(6.35,0) 6(7.62,0)
  round 1 hole 1 unplated: MH(-1.27,0)
  round 1.1 hole 1.1 unplated: MH(3.81,-1.5)
  TOP region: 0.425,-0.75 0.445,-0.75 0.482,-0.735 0.51,-0.707 0.525,-0.67 0.525,-0.65 0.525,-0.65 0.525,0 -0.525,0 -0.525,-0.65 -0.525,-0.67 -0.51,-0.707 -0.482,-0.735 -0.445,-0.75 -0.425,-0.75 -0.425,-0.75
  TOP region: 1.695,-0.75 1.715,-0.75 1.752,-0.735 1.78,-0.707 1.795,-0.67 1.795,-0.65 1.795,-0.65 1.795,0 0.745,0 0.745,-0.65 0.745,-0.67 0.76,-0.707 0.788,-0.735 0.825,-0.75 0.845,-0.75 0.845,-0.75
  TOP region: 2.965,-0.75 2.985,-0.75 3.022,-0.735 3.05,-0.707 3.065,-0.67 3.065,-0.65 3.065,-0.65 3.065,0 2.015,0 2.015,-0.65 2.015,-0.67 2.03,-0.707 2.058,-0.735 2.095,-0.75 2.115,-0.75 2.115,-0.75
  TOP region: 5.505,-0.75 5.525,-0.75 5.562,-0.735 5.59,-0.707 5.605,-0.67 5.605,-0.65 5.605,-0.65 5.605,0 4.555,0 4.555,-0.65 4.555,-0.67 4.57,-0.707 4.598,-0.735 4.635,-0.75 4.655,-0.75 4.655,-0.75
  TOP region: 6.775,-0.75 6.795,-0.75 6.832,-0.735 6.86,-0.707 6.875,-0.67 6.875,-0.65 6.875,-0.65 6.875,0 5.825,0 5.825,-0.65 5.825,-0.67 5.84,-0.707 5.868,-0.735 5.905,-0.75 5.925,-0.75 5.925,-0.75
  TOP region: 8.045,-0.75 8.065,-0.75 8.102,-0.735 8.13,-0.707 8.145,-0.67 8.145,-0.65 8.145,-0.65 8.145,0 7.095,0 7.095,-0.65 7.095,-0.67 7.11,-0.707 7.138,-0.735 7.175,-0.75 7.195,-0.75 7.195,-0.75
  BOTTOM region: 0.425,-0.75 0.445,-0.75 0.482,-0.735 0.51,-0.707 0.525,-0.67 0.525,-0.65 0.525,-0.65 0.525,0 -0.525,0 -0.525,-0.65 -0.525,-0.67 -0.51,-0.707 -0.482,-0.735 -0.445,-0.75 -0.425,-0.75 -0.425,-0.75
  BOTTOM region: 1.695,-0.75 1.715,-0.75 1.752,-0.735 1.78,-0.707 1.795,-0.67 1.795,-0.65 1.795,-0.65 1.795,0 0.745,0 0.745,-0.65 0.745,-0.67 0.76,-0.707 0.788,-0.735 0.825,-0.75 0.845,-0.75 0.845,-0.75
  BOTTOM region: 2.965,-0.75 2.985,-0.75 3.022,-0.735 3.05,-0.707 3.065,-0.67 3.065,-0.65 3.065,-0.65 3.065,0 2.015,0 2.015,-0.65 2.015,-0.67 2.03,-0.707 2.058,-0.735 2.095,-0.75 2.115,-0.75 2.115,-0.75
  BOTTOM region: 5.505,-0.75 5.525,-0.75 5.562,-0.735 5.59,-0.707 5.605,-0.67 5.605,-0.65 5.605,-0.65 5.605,0 4.555,0 4.555,-0.65 4.555,-0.67 4.57,-0.707 4.598,-0.735 4.635,-0.75 4.655,-0.75 4.655,-0.75
  BOTTOM region: 6.775,-0.75 6.795,-0.75 6.832,-0.735 6.86,-0.707 6.875,-0.67 6.875,-0.65 6.875,-0.65 6.875,0 5.825,0 5.825,-0.65 5.825,-0.67 5.84,-0.707 5.868,-0.735 5.905,-0.75 5.925,-0.75 5.925,-0.75
  BOTTOM region: 8.045,-0.75 8.065,-0.75 8.102,-0.735 8.13,-0.707 8.145,-0.67 8.145,-0.65 8.145,-0.65 8.145,0 7.095,0 7.095,-0.65 7.095,-0.67 7.11,-0.707 7.138,-0.735 7.175,-0.75 7.195,-0.75 7.195,-0.75
  silkscreen extent -0.12,-1.62 0.12,-1.37, body extent -2.69,-2.89 10.31,90.74, height 12.25
FIDUCIAL-1X2#1 [mm] "FIDUCIAL-1X2"
  round 1 smd: 1(0,0)
FIDUCIAL-1X2#2 [mm] "FIDUCIAL-1X2"
  rrect100% 1x1 smd paste+0: 1(0,0)
GSB1C41110SSHR [mm]
  rect 0.6x1.15 smd: A1(-3.2,3.39) A4(-2.4,3.39) A9(2.4,3.39) A12(3.2,3.39)
  rect 0.3x1.15 smd: A5(-1.25,3.39) A6(-0.25,3.39) A7(0.25,3.39) A8(1.25,3.39) B5(1.75,3.39) B6(0.75,3.39) B7(-0.75,3.39) B8(-1.75,3.39)
  round 0.325 hole 0.65 unplated: MH1(-2.89,2.315) MH2(2.89,2.315)
  rect 1.5x1.5 smd: MP1(-5.12,2.815) MP2(5.12,2.815) MP3(-5.12,-1.115) MP4(5.12,-1.115)
  silkscreen extent -4.47,-3.97 4.47,4.5, body extent -5.67,-3.91 5.67,3.68, height 3.18
HDRV7W66P0X254_1X7_1778X254X844P [mm]
  rect 1.725x1.725 hole 1.15: 1(0,0)
  round 1.725 hole 1.15: 2(2.54,0) 3(5.08,0) 4(7.62,0) 5(10.16,0) 6(12.7,0) 7(15.24,0)
  silkscreen extent -1.52,-1.32 16.76,1.32
IND3225X100N [mm]
  rect 1.2x2.7 smd: 1(-1.3,0) 2(1.3,0)
  silkscreen extent 0,-0.9 0,0.9, body extent -1.6,-1.2 1.6,1.2, height 1
INDC2016X100N [mm] "INDC2016X100N"
  rrect50% 0.7x1.8 smd: 1(-0.8,0) 2(0.8,0)
  silkscreen extent -0.3,-0.9 0.3,0.9, body extent -1,-0.8 1,0.8, height 1
JST_SM04B-SRSS-TB(LF)(SN) [mm]
  rect 0.6x1.4 smd: 1(-1.5,1.9) 2(-0.5,1.9) 3(0.5,1.9) 4(1.5,1.9)
  rect 0.8x1.5 smd: S1(-2.6,-1.85) S2(2.6,-1.85)
  silkscreen extent -3,-2.64 3,2.42, body extent -3,-2.59 3,2.36, height 2.96
KMS231GLFS [mm]
  rect 1x1 smd: 1(-1.88,-0.825) 2(-1.88,0.813) 3(0,1.016) 4(1.905,0.813) 5(1.905,-0.825)
  body extent -2.3,-2.15 2.3,1.4, height 1.43
LBEE5KL1YN814 [mm]
  rect 0.25x0.5 smd: 1(-2.25,-2.025) 2(-1.8,-2.025) 3(-1.35,-2.025) 4(-0.9,-2.025) 5(-0.45,-2.025) 6(0,-2.025) 7(0.45,-2.025) 8(0.9,-2.025) 9(1.35,-2.025) 10(1.8,-2.025) 11(2.25,-2.025) 22(2.25,2.025) 23(1.8,2.025) 24(1.35,2.025) 25(0.9,2.025) 26(0.45,2.025) 27(0,2.025) 28(-0.45,2.025) 29(-0.9,2.025) 30(-1.35,2.025) 31(-1.8,2.025) 32(-2.25,2.025)
  rect 0.5x0.375 smd: 12(2.925,-2.087) 21(2.925,2.087) 33(-2.925,2.087) 42(-2.925,-2.087)
  rect 0.5x0.25 smd: 13(2.925,-1.575) 14(2.925,-1.125) 15(2.925,-0.675) 16(2.925,-0.225) 17(2.925,0.225) 18(2.925,0.675) 19(2.925,1.125) 20(2.925,1.575) 34(-2.925,1.575) 35(-2.925,1.125) 36(-2.925,0.675) 37(-2.925,0.225) 38(-2.925,-0.225) 39(-2.925,-0.675) 40(-2.925,-1.125) 41(-2.925,-1.575)
  rect 1x1 smd: 43(-1,-0.75) 44(1,-0.75) 45(-1,0.75) 46(1,0.75)
  silkscreen extent -2.3,-3.1 -2.2,-3, body extent -3.47,-2.58 3.47,2.58, height 1.2
LED_UHD1110-FKA-CL1A13R3Q1BBQFMF3 [mil] "LED_UHD1110-FKA-CL1A13R3Q1BBQFMF3"
  rect 15.75x15.75 smd: 1(-11.81,11.81) 2(-11.81,-11.81) 3(11.81,-11.81) 4(11.81,11.81)
  silkscreen extent -39,-28 28,39, body extent -20,-20 20,20, height 24
LSM6DSMTR [mil] "Accelerometer, Gyroscope, Temperature, 6 Axis Sensor I²C, SPI Output"
  rect 21x12 smd paste-2.1 mask+2: 1(-46.5,29.53) 2(-46.5,9.84) 3(-46.5,-9.84) 4(-46.5,-29.53) 8(46.5,-29.53) 9(46.5,-9.84) 10(46.5,9.84) 11(46.5,29.53)
  rect 12x21 smd paste-2.1 mask+2: 5(-19.68,-36.5) 6(0,-36.5) 7(19.68,-36.5) 12(19.68,36.5) 13(0,36.5) 14(-19.68,36.5)
  silkscreen extent -66,-56 66,56, body extent -61,-51 61,51, height 34
M7_M8 [mm]
  rect 0x0 hole 0.55 unplated mask+0.05: 0(-3.7,3.7) 0(3.7,-3.7)
  rect 0x0 hole 0.65 unplated mask+0.05: 0(-3.25,-3.25) 0(-3.25,3.25) 0(3.25,-3.25) 0(3.25,3.25)
  silkscreen extent -4.5,-4.5 4.5,4.5, body extent -4.51,-4.49 4.49,4.51, height 9.52
MMICT390200012 [mm]
  rect 0.522x0.725 smd: 1(-1.364,-0.838) 2(-0.542,-0.838) 4(-0.542,0.837) 5(-1.364,0.837)
  round 1.625 smd: 3(0.71,0)
  round 0.512 hole 1.025 unplated: 6(0.71,0)
  silkscreen extent -1.45,-1.9 -1.35,-1.8, body extent -1.75,-1.33 1.75,1.33, height 1.23
NXS0102GTX [mm]
  rect 0.4x0.3 smd mask+0.051: 1(-0.3,0.75) 2(-0.3,0.25) 3(-0.3,-0.25) 4(-0.3,-0.75) 5(0.3,-0.75) 6(0.3,-0.25) 7(0.3,0.25) 8(0.3,0.75)
  silkscreen extent -1,0.7 -0.9,0.8, body extent -0.5,-0.97 0.5,0.97, height 0.51
NXS0104GU12X [mm]
  rect 0.5x0.32 smd: 1(-0.75,0.85)
  rect 0.5x0.22 smd: 2(-0.75,0.4) 3(-0.75,0) 4(-0.75,-0.4) 5(-0.75,-0.8) 7(0.75,-0.8) 8(0.75,-0.4) 9(0.75,0) 10(0.75,0.4) 11(0.75,0.8)
  rect 0.22x0.65 smd: 6(0,-0.825) 12(0,0.825)
  silkscreen extent -1.5,0.8 -1.4,0.9, body extent -1,-0.85 1,0.85, height 0.49
PAG7936 [mm]
  round 0.25 smd mask+0.051: A1(-2.01,2.135) A2(-1.42,2.135) A3(-0.83,2.135) A4(-0.08,2.135) A5(0.67,2.135) A6(1.42,2.135) A7(2.01,2.135) B1(-2.01,1.525) B2(-1.42,1.525) B3(-0.83,1.525) B4(-0.08,1.525) B5(0.67,1.525) B6(1.42,1.525) B7(2.01,1.525) C1(-2.01,0.915) C2(-1.42,0.915) C3(-0.83,0.915) C4(-0.08,0.915) C5(0.67,0.915) C6(1.42,0.915) C7(2.01,0.915) D1(-2.01,0.305) D2(-1.42,0.305) D3(-0.83,0.305) D4(-0.08,0.305) D5(0.67,0.305) D6(1.42,0.305) D7(2.01,0.305) E1(-2.01,-0.305) E2(-1.42,-0.305) E3(-0.83,-0.305) E4(-0.08,-0.305) E5(0.67,-0.305) E6(1.42,-0.305) E7(2.01,-0.305) F1(-2.01,-0.915) F2(-1.42,-0.915) F3(-0.83,-0.915) F5(0.67,-0.915) F6(1.42,-0.915) F7(2.01,-0.915) G1(-2.01,-1.525) G2(-1.42,-1.525) G3(-0.83,-1.525) G4(-0.08,-1.525) G5(0.67,-1.525) G6(1.42,-1.525) G7(2.01,-1.525) H1(-2.01,-2.135) H2(-1.42,-2.135) H3(-0.83,-2.135) H4(-0.08,-2.135) H5(0.67,-2.135) H6(1.42,-2.135) H7(2.01,-2.135)
  silkscreen extent -2.72,-2.81 2.58,2.93, body extent -2.52,-2.74 2.48,2.74, height 0.8
PUSB3TB6AZ [mm]
  rect 0.53x0.2 smd mask+0.05: 1(-0.415,0.75) 2(-0.415,0.25) 3(-0.415,-0.25) 4(-0.415,-0.75) 5(0.415,-0.5) 6(0.415,0) 7(0.415,0.5)
  silkscreen extent -0.88,0.96 -0.78,1.06, body extent -0.6,-1.1 0.6,1.1, height 0.5
R0201 [mil] "0201 IPC-7351"
  rrect50% 12x15 smd mask+1.97: 1(-11,0) 2(11,0)
  body extent -12,-6 12,6, height 9
SIT1533AIH4AA332768E [mm]
  rect 0.4x1.4 smd: 1(-0.8,0) 3(0.8,0)
  rect 0.3x0.5 smd: 2(-0.1,-0.45) 4(0.1,0.45)
  silkscreen extent -2.9,-0.05 -2.8,0.05, body extent -1.01,-0.6 0.99,0.6, height 0.6
SON45P300X300X80-13N [mm]
  rrect50% 0.85x0.25 smd mask+0.051: 1(-1.45,1.125) 2(-1.45,0.675) 3(-1.45,0.225) 4(-1.45,-0.225) 5(-1.45,-0.675) 6(-1.45,-1.125) 7(1.45,-1.125) 8(1.45,-0.675) 9(1.45,-0.225) 10(1.45,0.225) 11(1.45,0.675) 12(1.45,1.125)
  rect 1.65x2.55 smd paste-0.254 mask+0.051: 13(0,0)
  silkscreen extent -1.81,-1.5 1.5,1.65, body extent -1.5,-1.5 1.5,1.5, height 0.5
SOP65P210X110-6N [mm]
  rect 0.7x0.4 smd mask+0.05: 1(-0.95,0.65) 2(-0.95,0) 3(-0.95,-0.65) 4(0.95,-0.65) 5(0.95,0) 6(0.95,0.65)
  silkscreen extent -1.27,-1 0.28,1.14, body extent -1.05,-1 1.05,1, height 1
SOTFL50P160X60-5N [mm]
  rect 0.46x0.3 smd: 1(-0.83,0.5) 2(-0.83,0) 3(-0.83,-0.5) 4(0.83,-0.5) 5(0.83,0.5)
  silkscreen extent -1.06,-0.8 0.25,0.9, body extent -0.8,-0.8 0.8,0.8, height 0.6
TC7USB42MU,LF(S2E [mm]
  rect 0.757x0.204 smd paste+0 mask+0: 1(-0.645,0.2) 2(-0.645,-0.2) 6(0.645,-0.2) 7(0.645,0.2)
  rect 0.204x0.757 smd paste+0 mask+0: 3(-0.4,-0.848) 4(0,-0.848) 5(0.4,-0.848) 8(0.4,0.848) 9(0,0.848) 10(-0.4,0.848)
  silkscreen extent -1.1,1 -0.9,1.2, body extent -0.7,-0.9 0.7,0.9, height 0.5
TPS62826ADMQR [mm]
  rect 0.6x0.25 smd mask+0.05: 1(-0.65,0.5) 2(-0.65,0) 3(-0.65,-0.5)
  rect 1x0.25 smd mask+0.05: 4(0.45,-0.5) 5(0.45,0) 6(0.45,0.5)
  silkscreen extent -1,0.75 -0.9,0.85, body extent -0.76,-0.74 0.73,0.74, height 0.5
VL53L5CXV0GC1 [mm]
  rect 0.5x0.5 smd: A1(2.25,-1.05) A2(1.5,-1.05) A3(0.75,-1.05) A4(0,-1.05) A5(-0.75,-1.05) A6(-1.5,-1.05) A7(-2.25,-1.05) B1(2.65,0) B7(-2.65,0) C1(2.25,1.05) C2(1.5,1.05) C3(0.75,1.05) C4(0,1.05) C5(-0.75,1.05) C6(-1.5,1.05) C7(-2.25,1.05)
  rect 0.2x0.1 smd: A8(2.4,-0.75)
  rect 2.316x1.2 smd: B4(0,0)
  silkscreen extent -3.2,-1.5 3.2,1.5, body extent -3.54,-2.22 4.19,2.06, height 4.5
VREG_TCR2LN30_LF [mm]
  rect 0.1x0.1 smd paste-1 mask+0: 1(-0.34,0.24) 2(-0.34,-0.24) 3(0.34,-0.24) 4(0.34,0.24) 5(0,0)
  TOP region: -0.18,0.29 -0.34,0.13 -0.5,0.13 -0.5,0.35 -0.18,0.35
  TOP region: 0.5,-0.35 0.12,-0.35 0.34,-0.13 0.5,-0.13
  TOP region: 0.5,0.13 0.34,0.13 0.12,0.35 0.5,0.35
  TOP region: -0.12,-0.35 -0.5,-0.35 -0.5,-0.13 -0.34,-0.13
  TOP region: 0.177,0 0,-0.177 -0.177,0 0,0.177
  silkscreen extent -1.07,0.28 -0.92,0.42
XTAL_2016 [mm] "2.0x1.6mm"
  rrect20% 0.75x0.7 smd mask+0.05: 1(-0.675,-0.5) 2(0.675,-0.5) 3(0.675,0.5) 4(-0.675,0.5)
  body extent -1,-0.8 1,0.8, height 0.65
XTAL_ABS07-32.768KHZ-7-T [mm] "XTAL_ABS07-32.768KHZ-7-T"
  rect 1.1x1.6 smd: 1(-1.25,0) 2(1.25,0)
  silkscreen extent -0.38,-0.75 0.38,0.75, body extent -1.6,-0.7 1.6,0.7, height 1